# KiCad board untitled.kicad_pcb (continued)
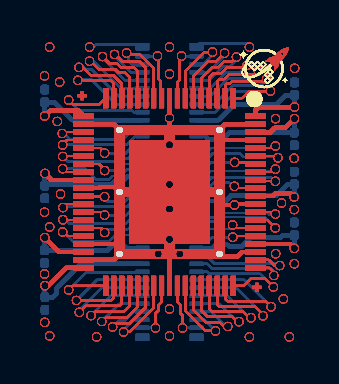
[diagram p0: board, top side]
## Routing (per net, layer and track width the routed paths; a pad name or vN(x,y) marks a point on that pad's centre or on a via; arc(x,y) is an arc through that point) (continued)
/PIN 68: length 210.5
  Top w0.1: 8.61,12.13 8.21,12.13 ; 8.61,12.13 8.21,12.13 ; 8.61,12.13 9,12.52 ; 8.61,12.13 9,12.52 ; 8.61,12.13 8.21,12.13 ; 8.61,12.13 9,12.52 ; 8.61,12.13 8.21,12.13 ; 8.61,12.13 8.21,12.13 ; 8.61,12.13 9,12.52 ; 8.61,12.13 9,12.52 ; 8.61,12.13 8.21,12.13 ; 8.61,12.13 9,12.52 ; 8.61,12.13 8.21,12.13 ; 8.61,12.13 8.21,12.13 ; 8.61,12.13 9,12.52 ; 8.61,12.13 8.21,12.13 ; 8.61,12.13 8.21,12.13 ; 8.61,12.13 9,12.52 ; 8.61,12.13 9,12.52 ; 8.61,12.13 8.21,12.13 ; 8.61,12.13 9,12.52 ; 8.61,12.13 9,12.52 ; 8.61,12.13 9,12.52 ; 8.61,12.13 9,12.52 ; 8.61,12.13 8.21,12.13 ; 8.61,12.13 9,12.52 ; 8.61,12.13 9,12.52 ; 8.61,12.13 9,12.52 ; 8.61,12.13 8.21,12.13 ; 8.61,12.13 9,12.52 ; 8.61,12.13 8.21,12.13 ; 8.61,12.13 8.21,12.13 ; 8.61,12.13 9,12.52 ; 8.61,12.13 8.21,12.13 ; 8.61,12.13 9,12.52 ; 8.61,12.13 8.21,12.13 ; 8.61,12.13 9,12.52 ; 8.61,12.13 8.21,12.13 ; 8.61,12.13 8.21,12.13 ; 8.61,12.13 8.21,12.13 ; 8.61,12.13 9,12.52 ; 8.61,12.13 8.21,12.13 ; 8.61,12.13 9,12.52 ; 8.61,12.13 8.21,12.13 ; 8.61,12.13 9,12.52 ; 8.61,12.13 8.21,12.13 ; 8.61,12.13 9,12.52 ; 8.61,12.13 8.21,12.13 ; 8.61,12.13 9,12.52 ; 8.61,12.13 9,12.52 ; 8.61,12.13 9,12.52 ; 8.61,12.13 9,12.52 ; 8.61,12.13 8.21,12.13 ; 8.61,12.13 9,12.52 ; 8.61,12.13 9,12.52 ; 8.61,12.13 8.21,12.13 ; 8.61,12.13 8.21,12.13 ; 8.61,12.13 9,12.52 ; 8.61,12.13 8.21,12.13 ; 8.61,12.13 8.21,12.13 ; 8.61,12.13 8.21,12.13 ; 8.61,12.13 9,12.52 ; 8.61,12.13 9,12.52 ; 8.61,12.13 8.21,12.13 ; 8.61,12.13 9,12.52 ; 8.61,12.13 9,12.52 ; 8.61,12.13 8.21,12.13 ; 8.61,12.13 9,12.52 ; 8.61,12.13 8.21,12.13 ; 8.61,12.13 8.21,12.13 ; 8.61,12.13 9,12.52 ; 8.61,12.13 9,12.52 ; 8.61,12.13 8.21,12.13 ; 8.61,12.13 8.21,12.13 ; 8.61,12.13 8.21,12.13 ; 8.61,12.13 8.21,12.13 ; 8.61,12.13 8.21,12.13 ; 8.61,12.13 9,12.52 ; 8.61,12.13 8.21,12.13 ; 8.61,12.13 9,12.52 ; 8.61,12.13 8.21,12.13 ; 8.61,12.13 8.21,12.13 ; 8.61,12.13 9,12.52 ; 8.61,12.13 9,12.52 ; 8.21,12.13 7.46,11.38 ; 8.21,12.13 7.46,11.38 ; 8.21,12.13 7.46,11.38 ; 8.21,12.13 7.46,11.38 ; 8.21,12.13 7.46,11.38 ; 8.21,12.13 7.46,11.38 ; 8.21,12.13 7.46,11.38 ; 8.21,12.13 7.46,11.38 ; 8.21,12.13 7.46,11.38 ; 8.21,12.13 7.46,11.38 ; 8.21,12.13 7.46,11.38 ; 8.21,12.13 7.46,11.38 ; 8.21,12.13 7.46,11.38 ; 8.21,12.13 7.46,11.38 ; 8.21,12.13 7.46,11.38 ; 8.21,12.13 7.46,11.38 ; 8.21,12.13 7.46,11.38 ; 8.21,12.13 7.46,11.38 ; 8.21,12.13 7.46,11.38 ; 8.21,12.13 7.46,11.38 ; 8.21,12.13 7.46,11.38 ; 8.21,12.13 7.46,11.38 ; 8.21,12.13 7.46,11.38 ; 8.21,12.13 7.46,11.38 ; 8.21,12.13 7.46,11.38 ; 8.21,12.13 7.46,11.38 ; 8.21,12.13 7.46,11.38 ; 8.21,12.13 7.46,11.38 ; 8.21,12.13 7.46,11.38 ; 8.21,12.13 7.46,11.38 ; 8.21,12.13 7.46,11.38 ; 8.21,12.13 7.46,11.38 ; 8.21,12.13 7.46,11.38 ; 8.21,12.13 7.46,11.38 ; 8.21,12.13 7.46,11.38 ; 8.21,12.13 7.46,11.38 ; 8.21,12.13 7.46,11.38 ; 8.21,12.13 7.46,11.38 ; 8.21,12.13 7.46,11.38 ; 8.21,12.13 7.46,11.38 ; 8.21,12.13 7.46,11.38 ; 8.21,12.13 7.46,11.38 ; 7.46,11.38 J158.6 ; 7.46,11.38 J158.6 ; 7.46,11.38 J158.6 ; 7.46,11.38 J158.6 ; 7.46,11.38 J158.6 ; 7.46,11.38 J158.6 ; 7.46,11.38 J158.6 ; 7.46,11.38 J158.6 ; 7.46,11.38 J158.6 ; 7.46,11.38 J158.6 ; 7.46,11.38 J158.6 ; 7.46,11.38 J158.6 ; 7.46,11.38 J158.6 ; 7.46,11.38 J158.6 ; 7.46,11.38 J158.6 ; 7.46,11.38 J158.6 ; 7.46,11.38 J158.6 ; 7.46,11.38 J158.6 ; 7.46,11.38 J158.6 ; 7.46,11.38 J158.6 ; 7.46,11.38 J158.6 ; 7.46,11.38 J158.6 ; 7.46,11.38 J158.6 ; 7.46,11.38 J158.6 ; 7.46,11.38 J158.6 ; 7.46,11.38 J158.6 ; 7.46,11.38 J158.6 ; 7.46,11.38 J158.6 ; 7.46,11.38 J158.6 ; 7.46,11.38 J158.6 ; 7.46,11.38 J158.6 ; 7.46,11.38 J158.6 ; 7.46,11.38 J158.6 ; 7.46,11.38 J158.6 ; 7.46,11.38 J158.6 ; 7.46,11.38 J158.6 ; 7.46,11.38 J158.6 ; 7.46,11.38 J158.6 ; 7.46,11.38 J158.6 ; 7.46,11.38 J158.6 ; 7.46,11.38 J158.6 ; 7.46,11.38 J158.6 ; v1(9.02,12.52) 9,12.52 ; v1(9.02,12.52) 9,12.52 ; v1(9.02,12.52) 9,12.52 ; v1(9.02,12.52) 9,12.52 ; v1(9.02,12.52) 9,12.52 ; v1(9.02,12.52) 9,12.52 ; v1(9.02,12.52) 9,12.52 ; v1(9.02,12.52) 9,12.52 ; v1(9.02,12.52) 9,12.52 ; v1(9.02,12.52) 9,12.52 ; v1(9.02,12.52) 9,12.52 ; v1(9.02,12.52) 9,12.52 ; v1(9.02,12.52) 9,12.52 ; v1(9.02,12.52) 9,12.52 ; v1(9.02,12.52) 9,12.52 ; v1(9.02,12.52) 9,12.52 ; v1(9.02,12.52) 9,12.52 ; v1(9.02,12.52) 9,12.52 ; v1(9.02,12.52) 9,12.52 ; v1(9.02,12.52) 9,12.52 ; v1(9.02,12.52) 9,12.52 ; v1(9.02,12.52) 9,12.52 ; v1(9.02,12.52) 9,12.52 ; v1(9.02,12.52) 9,12.52 ; v1(9.02,12.52) 9,12.52 ; v1(9.02,12.52) 9,12.52 ; v1(9.02,12.52) 9,12.52 ; v1(9.02,12.52) 9,12.52 ; v1(9.02,12.52) 9,12.52 ; v1(9.02,12.52) 9,12.52 ; v1(9.02,12.52) 9,12.52 ; v1(9.02,12.52) 9,12.52 ; v1(9.02,12.52) 9,12.52 ; v1(9.02,12.52) 9,12.52 ; v1(9.02,12.52) 9,12.52 ; v1(9.02,12.52) 9,12.52 ; v1(9.02,12.52) 9,12.52 ; v1(9.02,12.52) 9,12.52 ; v1(9.02,12.52) 9,12.52 ; v1(9.02,12.52) 9,12.52 ; v1(9.02,12.52) 9,12.52 ; v1(9.02,12.52) 9,12.52
  Bottom w0.1: 9.02,12.38 8.22,11.58 ; 9.02,12.38 8.22,11.58 ; 9.02,12.38 8.22,11.58 ; 9.02,12.38 8.22,11.58 ; 9.02,12.38 8.22,11.58 ; 9.02,12.38 v1(9.02,12.52) ; 9.02,12.38 8.22,11.58 ; 9.02,12.38 8.22,11.58 ; 9.02,12.38 v1(9.02,12.52) ; 9.02,12.38 v1(9.02,12.52) ; 9.02,12.38 v1(9.02,12.52) ; 9.02,12.38 8.22,11.58 ; 9.02,12.38 8.22,11.58 ; 9.02,12.38 8.22,11.58 ; 9.02,12.38 8.22,11.58 ; 9.02,12.38 v1(9.02,12.52) ; 9.02,12.38 v1(9.02,12.52) ; 9.02,12.38 v1(9.02,12.52) ; 9.02,12.38 v1(9.02,12.52) ; 9.02,12.38 8.22,11.58 ; 9.02,12.38 8.22,11.58 ; 9.02,12.38 v1(9.02,12.52) ; 9.02,12.38 8.22,11.58 ; 9.02,12.38 8.22,11.58 ; 9.02,12.38 v1(9.02,12.52) ; 9.02,12.38 v1(9.02,12.52) ; 9.02,12.38 8.22,11.58 ; 9.02,12.38 v1(9.02,12.52) ; 9.02,12.38 v1(9.02,12.52) ; 9.02,12.38 8.22,11.58 ; 9.02,12.38 v1(9.02,12.52) ; 9.02,12.38 v1(9.02,12.52) ; 9.02,12.38 8.22,11.58 ; 9.02,12.38 v1(9.02,12.52) ; 9.02,12.38 v1(9.02,12.52) ; 9.02,12.38 v1(9.02,12.52) ; 9.02,12.38 v1(9.02,12.52) ; 9.02,12.38 8.22,11.58 ; 9.02,12.38 v1(9.02,12.52) ; 9.02,12.38 8.22,11.58 ; 9.02,12.38 8.22,11.58 ; 9.02,12.38 8.22,11.58 ; 9.02,12.38 v1(9.02,12.52) ; 9.02,12.38 v1(9.02,12.52) ; 9.02,12.38 8.22,11.58 ; 9.02,12.38 8.22,11.58 ; 9.02,12.38 8.22,11.58 ; 9.02,12.38 8.22,11.58 ; 9.02,12.38 8.22,11.58 ; 9.02,12.38 v1(9.02,12.52) ; 9.02,12.38 8.22,11.58 ; 9.02,12.38 v1(9.02,12.52) ; 9.02,12.38 8.22,11.58 ; 9.02,12.38 v1(9.02,12.52) ; 9.02,12.38 v1(9.02,12.52) ; 9.02,12.38 v1(9.02,12.52) ; 9.02,12.38 v1(9.02,12.52) ; 9.02,12.38 8.22,11.58 ; 9.02,12.38 v1(9.02,12.52) ; 9.02,12.38 8.22,11.58 ; 9.02,12.38 8.22,11.58 ; 9.02,12.38 v1(9.02,12.52) ; 9.02,12.38 8.22,11.58 ; 9.02,12.38 8.22,11.58 ; 9.02,12.38 v1(9.02,12.52) ; 9.02,12.38 v1(9.02,12.52) ; 9.02,12.38 8.22,11.58 ; 9.02,12.38 v1(9.02,12.52) ; 9.02,12.38 v1(9.02,12.52) ; 9.02,12.38 8.22,11.58 ; 9.02,12.38 v1(9.02,12.52) ; 9.02,12.38 8.22,11.58 ; 9.02,12.38 v1(9.02,12.52) ; 9.02,12.38 8.22,11.58 ; 9.02,12.38 8.22,11.58 ; 9.02,12.38 8.22,11.58 ; 9.02,12.38 v1(9.02,12.52) ; 9.02,12.38 8.22,11.58 ; 9.02,12.38 v1(9.02,12.52) ; 9.02,12.38 8.22,11.58 ; 9.02,12.38 v1(9.02,12.52) ; 9.02,12.38 v1(9.02,12.52) ; 9.02,12.38 v1(9.02,12.52) ; 9.02,12.38 v1(9.02,12.52) ; 8.22,11.58 J173.3 ; 8.22,11.58 J173.3 ; 8.22,11.58 J173.3 ; 8.22,11.58 J173.3 ; 8.22,11.58 J173.3 ; 8.22,11.58 J173.3 ; 8.22,11.58 J173.3 ; 8.22,11.58 J173.3 ; 8.22,11.58 J173.3 ; 8.22,11.58 J173.3 ; 8.22,11.58 J173.3 ; 8.22,11.58 J173.3 ; 8.22,11.58 J173.3 ; 8.22,11.58 J173.3 ; 8.22,11.58 J173.3 ; 8.22,11.58 J173.3 ; 8.22,11.58 J173.3 ; 8.22,11.58 J173.3 ; 8.22,11.58 J173.3 ; 8.22,11.58 J173.3 ; 8.22,11.58 J173.3 ; 8.22,11.58 J173.3 ; 8.22,11.58 J173.3 ; 8.22,11.58 J173.3 ; 8.22,11.58 J173.3 ; 8.22,11.58 J173.3 ; 8.22,11.58 J173.3 ; 8.22,11.58 J173.3 ; 8.22,11.58 J173.3 ; 8.22,11.58 J173.3 ; 8.22,11.58 J173.3 ; 8.22,11.58 J173.3 ; 8.22,11.58 J173.3 ; 8.22,11.58 J173.3 ; 8.22,11.58 J173.3 ; 8.22,11.58 J173.3 ; 8.22,11.58 J173.3 ; 8.22,11.58 J173.3 ; 8.22,11.58 J173.3 ; 8.22,11.58 J173.3 ; 8.22,11.58 J173.3 ; 8.22,11.58 J173.3
/PIN 69: length 177.4
  Top w0.1: 8.01,12.58 7.06,11.63 ; 8.01,12.58 v1(8.41,12.58) ; 8.01,12.58 v1(8.41,12.58) ; 8.01,12.58 v1(8.41,12.58) ; 8.01,12.58 7.06,11.63 ; 8.01,12.58 v1(8.41,12.58) ; 8.01,12.58 v1(8.41,12.58) ; 8.01,12.58 v1(8.41,12.58) ; 8.01,12.58 7.06,11.63 ; 8.01,12.58 v1(8.41,12.58) ; 8.01,12.58 7.06,11.63 ; 8.01,12.58 v1(8.41,12.58) ; 8.01,12.58 v1(8.41,12.58) ; 8.01,12.58 7.06,11.63 ; 8.01,12.58 v1(8.41,12.58) ; 8.01,12.58 v1(8.41,12.58) ; 8.01,12.58 7.06,11.63 ; 8.01,12.58 v1(8.41,12.58) ; 8.01,12.58 7.06,11.63 ; 8.01,12.58 v1(8.41,12.58) ; 8.01,12.58 7.06,11.63 ; 8.01,12.58 7.06,11.63 ; 8.01,12.58 7.06,11.63 ; 8.01,12.58 v1(8.41,12.58) ; 8.01,12.58 7.06,11.63 ; 8.01,12.58 v1(8.41,12.58) ; 8.01,12.58 v1(8.41,12.58) ; 8.01,12.58 7.06,11.63 ; 8.01,12.58 v1(8.41,12.58) ; 8.01,12.58 7.06,11.63 ; 8.01,12.58 v1(8.41,12.58) ; 8.01,12.58 v1(8.41,12.58) ; 8.01,12.58 v1(8.41,12.58) ; 8.01,12.58 7.06,11.63 ; 8.01,12.58 v1(8.41,12.58) ; 8.01,12.58 v1(8.41,12.58) ; 8.01,12.58 v1(8.41,12.58) ; 8.01,12.58 7.06,11.63 ; 8.01,12.58 7.06,11.63 ; 8.01,12.58 v1(8.41,12.58) ; 8.01,12.58 7.06,11.63 ; 8.01,12.58 v1(8.41,12.58) ; 8.01,12.58 v1(8.41,12.58) ; 8.01,12.58 7.06,11.63 ; 8.01,12.58 7.06,11.63 ; 8.01,12.58 7.06,11.63 ; 8.01,12.58 v1(8.41,12.58) ; 8.01,12.58 v1(8.41,12.58) ; 8.01,12.58 7.06,11.63 ; 8.01,12.58 7.06,11.63 ; 8.01,12.58 v1(8.41,12.58) ; 8.01,12.58 7.06,11.63 ; 8.01,12.58 v1(8.41,12.58) ; 8.01,12.58 7.06,11.63 ; 8.01,12.58 7.06,11.63 ; 8.01,12.58 7.06,11.63 ; 8.01,12.58 7.06,11.63 ; 8.01,12.58 v1(8.41,12.58) ; 8.01,12.58 v1(8.41,12.58) ; 8.01,12.58 v1(8.41,12.58) ; 8.01,12.58 7.06,11.63 ; 8.01,12.58 v1(8.41,12.58) ; 8.01,12.58 7.06,11.63 ; 8.01,12.58 7.06,11.63 ; 8.01,12.58 7.06,11.63 ; 8.01,12.58 7.06,11.63 ; 8.01,12.58 7.06,11.63 ; 8.01,12.58 v1(8.41,12.58) ; 8.01,12.58 7.06,11.63 ; 8.01,12.58 7.06,11.63 ; 8.01,12.58 7.06,11.63 ; 8.01,12.58 7.06,11.63 ; 8.01,12.58 7.06,11.63 ; 8.01,12.58 v1(8.41,12.58) ; 8.01,12.58 v1(8.41,12.58) ; 8.01,12.58 7.06,11.63 ; 8.01,12.58 v1(8.41,12.58) ; 8.01,12.58 v1(8.41,12.58) ; 8.01,12.58 v1(8.41,12.58) ; 8.01,12.58 7.06,11.63 ; 8.01,12.58 7.06,11.63 ; 8.01,12.58 v1(8.41,12.58) ; 8.01,12.58 v1(8.41,12.58) ; 8.01,12.58 7.06,11.63 ; 7.06,11.63 J158.7 ; 7.06,11.63 J158.7 ; 7.06,11.63 J158.7 ; 7.06,11.63 J158.7 ; 7.06,11.63 J158.7 ; 7.06,11.63 J158.7 ; 7.06,11.63 J158.7 ; 7.06,11.63 J158.7 ; 7.06,11.63 J158.7 ; 7.06,11.63 J158.7 ; 7.06,11.63 J158.7 ; 7.06,11.63 J158.7 ; 7.06,11.63 J158.7 ; 7.06,11.63 J158.7 ; 7.06,11.63 J158.7 ; 7.06,11.63 J158.7 ; 7.06,11.63 J158.7 ; 7.06,11.63 J158.7 ; 7.06,11.63 J158.7 ; 7.06,11.63 J158.7 ; 7.06,11.63 J158.7 ; 7.06,11.63 J158.7 ; 7.06,11.63 J158.7 ; 7.06,11.63 J158.7 ; 7.06,11.63 J158.7 ; 7.06,11.63 J158.7 ; 7.06,11.63 J158.7 ; 7.06,11.63 J158.7 ; 7.06,11.63 J158.7 ; 7.06,11.63 J158.7 ; 7.06,11.63 J158.7 ; 7.06,11.63 J158.7 ; 7.06,11.63 J158.7 ; 7.06,11.63 J158.7 ; 7.06,11.63 J158.7 ; 7.06,11.63 J158.7 ; 7.06,11.63 J158.7 ; 7.06,11.63 J158.7 ; 7.06,11.63 J158.7 ; 7.06,11.63 J158.7 ; 7.06,11.63 J158.7 ; 7.06,11.63 J158.7
  Bottom w0.1: v1(8.41,12.58) 8.41,12.43 ; v1(8.41,12.58) 8.41,12.43 ; v1(8.41,12.58) 8.41,12.43 ; v1(8.41,12.58) 8.41,12.43 ; v1(8.41,12.58) 8.41,12.43 ; v1(8.41,12.58) 8.41,12.43 ; v1(8.41,12.58) 8.41,12.43 ; v1(8.41,12.58) 8.41,12.43 ; v1(8.41,12.58) 8.41,12.43 ; v1(8.41,12.58) 8.41,12.43 ; v1(8.41,12.58) 8.41,12.43 ; v1(8.41,12.58) 8.41,12.43 ; v1(8.41,12.58) 8.41,12.43 ; v1(8.41,12.58) 8.41,12.43 ; v1(8.41,12.58) 8.41,12.43 ; v1(8.41,12.58) 8.41,12.43 ; v1(8.41,12.58) 8.41,12.43 ; v1(8.41,12.58) 8.41,12.43 ; v1(8.41,12.58) 8.41,12.43 ; v1(8.41,12.58) 8.41,12.43 ; v1(8.41,12.58) 8.41,12.43 ; v1(8.41,12.58) 8.41,12.43 ; v1(8.41,12.58) 8.41,12.43 ; v1(8.41,12.58) 8.41,12.43 ; v1(8.41,12.58) 8.41,12.43 ; v1(8.41,12.58) 8.41,12.43 ; v1(8.41,12.58) 8.41,12.43 ; v1(8.41,12.58) 8.41,12.43 ; v1(8.41,12.58) 8.41,12.43 ; v1(8.41,12.58) 8.41,12.43 ; v1(8.41,12.58) 8.41,12.43 ; v1(8.41,12.58) 8.41,12.43 ; v1(8.41,12.58) 8.41,12.43 ; v1(8.41,12.58) 8.41,12.43 ; v1(8.41,12.58) 8.41,12.43 ; v1(8.41,12.58) 8.41,12.43 ; v1(8.41,12.58) 8.41,12.43 ; v1(8.41,12.58) 8.41,12.43 ; v1(8.41,12.58) 8.41,12.43 ; v1(8.41,12.58) 8.41,12.43 ; v1(8.41,12.58) 8.41,12.43 ; v1(8.41,12.58) 8.41,12.43 ; 8.41,12.43 7.96,11.98 ; 8.41,12.43 7.96,11.98 ; 8.41,12.43 7.96,11.98 ; 8.41,12.43 7.96,11.98 ; 8.41,12.43 7.96,11.98 ; 8.41,12.43 7.96,11.98 ; 8.41,12.43 7.96,11.98 ; 8.41,12.43 7.96,11.98 ; 8.41,12.43 7.96,11.98 ; 8.41,12.43 7.96,11.98 ; 8.41,12.43 7.96,11.98 ; 8.41,12.43 7.96,11.98 ; 8.41,12.43 7.96,11.98 ; 8.41,12.43 7.96,11.98 ; 8.41,12.43 7.96,11.98 ; 8.41,12.43 7.96,11.98 ; 8.41,12.43 7.96,11.98 ; 8.41,12.43 7.96,11.98 ; 8.41,12.43 7.96,11.98 ; 8.41,12.43 7.96,11.98 ; 8.41,12.43 7.96,11.98 ; 8.41,12.43 7.96,11.98 ; 8.41,12.43 7.96,11.98 ; 8.41,12.43 7.96,11.98 ; 8.41,12.43 7.96,11.98 ; 8.41,12.43 7.96,11.98 ; 8.41,12.43 7.96,11.98 ; 8.41,12.43 7.96,11.98 ; 8.41,12.43 7.96,11.98 ; 8.41,12.43 7.96,11.98 ; 8.41,12.43 7.96,11.98 ; 8.41,12.43 7.96,11.98 ; 8.41,12.43 7.96,11.98 ; 8.41,12.43 7.96,11.98 ; 8.41,12.43 7.96,11.98 ; 8.41,12.43 7.96,11.98 ; 8.41,12.43 7.96,11.98 ; 8.41,12.43 7.96,11.98 ; 8.41,12.43 7.96,11.98 ; 8.41,12.43 7.96,11.98 ; 8.41,12.43 7.96,11.98 ; 8.41,12.43 7.96,11.98 ; 7.96,11.98 J173.2 ; 7.96,11.98 J173.2 ; 7.96,11.98 J173.2 ; 7.96,11.98 J173.2 ; 7.96,11.98 J173.2 ; 7.96,11.98 J173.2 ; 7.96,11.98 J173.2 ; 7.96,11.98 J173.2 ; 7.96,11.98 J173.2 ; 7.96,11.98 J173.2 ; 7.96,11.98 J173.2 ; 7.96,11.98 J173.2 ; 7.96,11.98 J173.2 ; 7.96,11.98 J173.2 ; 7.96,11.98 J173.2 ; 7.96,11.98 J173.2 ; 7.96,11.98 J173.2 ; 7.96,11.98 J173.2 ; 7.96,11.98 J173.2 ; 7.96,11.98 J173.2 ; 7.96,11.98 J173.2 ; 7.96,11.98 J173.2 ; 7.96,11.98 J173.2 ; 7.96,11.98 J173.2 ; 7.96,11.98 J173.2 ; 7.96,11.98 J173.2 ; 7.96,11.98 J173.2 ; 7.96,11.98 J173.2 ; 7.96,11.98 J173.2 ; 7.96,11.98 J173.2 ; 7.96,11.98 J173.2 ; 7.96,11.98 J173.2 ; 7.96,11.98 J173.2 ; 7.96,11.98 J173.2 ; 7.96,11.98 J173.2 ; 7.96,11.98 J173.2 ; 7.96,11.98 J173.2 ; 7.96,11.98 J173.2 ; 7.96,11.98 J173.2 ; 7.96,11.98 J173.2 ; 7.96,11.98 J173.2 ; 7.96,11.98 J173.2
/PIN 70: length 123.4
  Top w0.1: 6.66,11.08 J158.8 ; 6.66,11.08 6.76,11.18 ; 6.66,11.08 J158.8 ; 6.66,11.08 6.76,11.18 ; 6.66,11.08 6.76,11.18 ; 6.66,11.08 J158.8 ; 6.66,11.08 6.76,11.18 ; 6.66,11.08 6.76,11.18 ; 6.66,11.08 J158.8 ; 6.66,11.08 J158.8 ; 6.66,11.08 6.76,11.18 ; 6.66,11.08 6.76,11.18 ; 6.66,11.08 6.76,11.18 ; 6.66,11.08 J158.8 ; 6.66,11.08 6.76,11.18 ; 6.66,11.08 J158.8 ; 6.66,11.08 6.76,11.18 ; 6.66,11.08 J158.8 ; 6.66,11.08 J158.8 ; 6.66,11.08 6.76,11.18 ; 6.66,11.08 6.76,11.18 ; 6.66,11.08 J158.8 ; 6.66,11.08 J158.8 ; 6.66,11.08 J158.8 ; 6.66,11.08 J158.8 ; 6.66,11.08 6.76,11.18 ; 6.66,11.08 6.76,11.18 ; 6.66,11.08 J158.8 ; 6.66,11.08 6.76,11.18 ; 6.66,11.08 J158.8 ; 6.66,11.08 6.76,11.18 ; 6.66,11.08 6.76,11.18 ; 6.66,11.08 6.76,11.18 ; 6.66,11.08 6.76,11.18 ; 6.66,11.08 J158.8 ; 6.66,11.08 J158.8 ; 6.66,11.08 6.76,11.18 ; 6.66,11.08 J158.8 ; 6.66,11.08 J158.8 ; 6.66,11.08 6.76,11.18 ; 6.66,11.08 J158.8 ; 6.66,11.08 J158.8 ; 6.66,11.08 6.76,11.18 ; 6.66,11.08 J158.8 ; 6.66,11.08 6.76,11.18 ; 6.66,11.08 J158.8 ; 6.66,11.08 6.76,11.18 ; 6.66,11.08 J158.8 ; 6.66,11.08 6.76,11.18 ; 6.66,11.08 6.76,11.18 ; 6.66,11.08 6.76,11.18 ; 6.66,11.08 6.76,11.18 ; 6.66,11.08 J158.8 ; 6.66,11.08 J158.8 ; 6.66,11.08 6.76,11.18 ; 6.66,11.08 J158.8 ; 6.66,11.08 J158.8 ; 6.66,11.08 J158.8 ; 6.66,11.08 J158.8 ; 6.66,11.08 J158.8 ; 6.66,11.08 J158.8 ; 6.66,11.08 J158.8 ; 6.66,11.08 J158.8 ; 6.66,11.08 J158.8 ; 6.66,11.08 6.76,11.18 ; 6.66,11.08 6.76,11.18 ; 6.66,11.08 6.76,11.18 ; 6.66,11.08 6.76,11.18 ; 6.66,11.08 6.76,11.18 ; 6.66,11.08 6.76,11.18 ; 6.66,11.08 J158.8 ; 6.66,11.08 6.76,11.18 ; 6.66,11.08 J158.8 ; 6.66,11.08 6.76,11.18 ; 6.66,11.08 J158.8 ; 6.66,11.08 6.76,11.18 ; 6.66,11.08 6.76,11.18 ; 6.66,11.08 6.76,11.18 ; 6.66,11.08 J158.8 ; 6.66,11.08 6.76,11.18 ; 6.66,11.08 J158.8 ; 6.66,11.08 J158.8 ; 6.66,11.08 J158.8 ; 6.66,11.08 6.76,11.18 ; 6.76,11.18 6.76,12.28 ; 6.76,11.18 6.76,12.28 ; 6.76,11.18 6.76,12.28 ; 6.76,11.18 6.76,12.28 ; 6.76,11.18 6.76,12.28 ; 6.76,11.18 6.76,12.28 ; 6.76,11.18 6.76,12.28 ; 6.76,11.18 6.76,12.28 ; 6.76,11.18 6.76,12.28 ; 6.76,11.18 6.76,12.28 ; 6.76,11.18 6.76,12.28 ; 6.76,11.18 6.76,12.28 ; 6.76,11.18 6.76,12.28 ; 6.76,11.18 6.76,12.28 ; 6.76,11.18 6.76,12.28 ; 6.76,11.18 6.76,12.28 ; 6.76,11.18 6.76,12.28 ; 6.76,11.18 6.76,12.28 ; 6.76,11.18 6.76,12.28 ; 6.76,11.18 6.76,12.28 ; 6.76,11.18 6.76,12.28 ; 6.76,11.18 6.76,12.28 ; 6.76,11.18 6.76,12.28 ; 6.76,11.18 6.76,12.28 ; 6.76,11.18 6.76,12.28 ; 6.76,11.18 6.76,12.28 ; 6.76,11.18 6.76,12.28 ; 6.76,11.18 6.76,12.28 ; 6.76,11.18 6.76,12.28 ; 6.76,11.18 6.76,12.28 ; 6.76,11.18 6.76,12.28 ; 6.76,11.18 6.76,12.28 ; 6.76,11.18 6.76,12.28 ; 6.76,11.18 6.76,12.28 ; 6.76,11.18 6.76,12.28 ; 6.76,11.18 6.76,12.28 ; 6.76,11.18 6.76,12.28 ; 6.76,11.18 6.76,12.28 ; 6.76,11.18 6.76,12.28 ; 6.76,11.18 6.76,12.28 ; 6.76,11.18 6.76,12.28 ; 6.76,11.18 6.76,12.28 ; 6.76,12.28 v1(6.86,12.38) ; 6.76,12.28 v1(6.86,12.38) ; 6.76,12.28 v1(6.86,12.38) ; 6.76,12.28 v1(6.86,12.38) ; 6.76,12.28 v1(6.86,12.38) ; 6.76,12.28 v1(6.86,12.38) ; 6.76,12.28 v1(6.86,12.38) ; 6.76,12.28 v1(6.86,12.38) ; 6.76,12.28 v1(6.86,12.38) ; 6.76,12.28 v1(6.86,12.38) ; 6.76,12.28 v1(6.86,12.38) ; 6.76,12.28 v1(6.86,12.38) ; 6.76,12.28 v1(6.86,12.38) ; 6.76,12.28 v1(6.86,12.38) ; 6.76,12.28 v1(6.86,12.38) ; 6.76,12.28 v1(6.86,12.38) ; 6.76,12.28 v1(6.86,12.38) ; 6.76,12.28 v1(6.86,12.38) ; 6.76,12.28 v1(6.86,12.38) ; 6.76,12.28 v1(6.86,12.38) ; 6.76,12.28 v1(6.86,12.38) ; 6.76,12.28 v1(6.86,12.38) ; 6.76,12.28 v1(6.86,12.38) ; 6.76,12.28 v1(6.86,12.38) ; 6.76,12.28 v1(6.86,12.38) ; 6.76,12.28 v1(6.86,12.38) ; 6.76,12.28 v1(6.86,12.38) ; 6.76,12.28 v1(6.86,12.38) ; 6.76,12.28 v1(6.86,12.38) ; 6.76,12.28 v1(6.86,12.38) ; 6.76,12.28 v1(6.86,12.38) ; 6.76,12.28 v1(6.86,12.38) ; 6.76,12.28 v1(6.86,12.38) ; 6.76,12.28 v1(6.86,12.38) ; 6.76,12.28 v1(6.86,12.38) ; 6.76,12.28 v1(6.86,12.38) ; 6.76,12.28 v1(6.86,12.38) ; 6.76,12.28 v1(6.86,12.38) ; 6.76,12.28 v1(6.86,12.38) ; 6.76,12.28 v1(6.86,12.38) ; 6.76,12.28 v1(6.86,12.38) ; 6.76,12.28 v1(6.86,12.38)
  Bottom w0.1: v1(6.86,12.38) J173.1 ; v1(6.86,12.38) J173.1 ; v1(6.86,12.38) J173.1 ; v1(6.86,12.38) J173.1 ; v1(6.86,12.38) J173.1 ; v1(6.86,12.38) J173.1 ; v1(6.86,12.38) J173.1 ; v1(6.86,12.38) J173.1 ; v1(6.86,12.38) J173.1 ; v1(6.86,12.38) J173.1 ; v1(6.86,12.38) J173.1 ; v1(6.86,12.38) J173.1 ; v1(6.86,12.38) J173.1 ; v1(6.86,12.38) J173.1 ; v1(6.86,12.38) J173.1 ; v1(6.86,12.38) J173.1 ; v1(6.86,12.38) J173.1 ; v1(6.86,12.38) J173.1 ; v1(6.86,12.38) J173.1 ; v1(6.86,12.38) J173.1 ; v1(6.86,12.38) J173.1 ; v1(6.86,12.38) J173.1 ; v1(6.86,12.38) J173.1 ; v1(6.86,12.38) J173.1 ; v1(6.86,12.38) J173.1 ; v1(6.86,12.38) J173.1 ; v1(6.86,12.38) J173.1 ; v1(6.86,12.38) J173.1 ; v1(6.86,12.38) J173.1 ; v1(6.86,12.38) J173.1 ; v1(6.86,12.38) J173.1 ; v1(6.86,12.38) J173.1 ; v1(6.86,12.38) J173.1 ; v1(6.86,12.38) J173.1 ; v1(6.86,12.38) J173.1 ; v1(6.86,12.38) J173.1 ; v1(6.86,12.38) J173.1 ; v1(6.86,12.38) J173.1 ; v1(6.86,12.38) J173.1 ; v1(6.86,12.38) J173.1 ; v1(6.86,12.38) J173.1 ; v1(6.86,12.38) J173.1

## Copper pours and planes (outline as drawn; the poured copper is in the pictures)
GND on Top, Bottom, In1.Cu, In2.Cu: -0.33,13.13 12.77,13.13 12.82,-1.97 -0.33,-1.97
GND on Top, Bottom, In1.Cu, In2.Cu: -0.33,13.13 12.77,13.13 12.82,-1.97 -0.33,-1.97
GND on Top, Bottom, In1.Cu, In2.Cu: -0.33,13.13 12.77,13.13 12.82,-1.97 -0.33,-1.97
GND on Top, Bottom, In1.Cu, In2.Cu: -0.33,13.13 12.77,13.13 12.82,-1.97 -0.33,-1.97
GND on Top, Bottom, In1.Cu, In2.Cu: -0.33,13.13 12.77,13.13 12.82,-1.97 -0.33,-1.97
GND on Top, Bottom, In1.Cu, In2.Cu: -0.33,13.13 12.77,13.13 12.82,-1.97 -0.33,-1.97
GND on Top, Bottom, In1.Cu, In2.Cu: -0.33,13.13 12.77,13.13 12.82,-1.97 -0.33,-1.97
GND on Top, Bottom, In1.Cu, In2.Cu: -0.33,13.13 12.77,13.13 12.82,-1.97 -0.33,-1.97
GND on Top, Bottom, In1.Cu, In2.Cu: -0.33,13.13 12.77,13.13 12.82,-1.97 -0.33,-1.97
GND on Top, Bottom, In1.Cu, In2.Cu: -0.33,13.13 12.77,13.13 12.82,-1.97 -0.33,-1.97
GND on Top, Bottom, In1.Cu, In2.Cu: -0.33,13.13 12.77,13.13 12.82,-1.97 -0.33,-1.97
GND on Top, Bottom, In1.Cu, In2.Cu: -0.33,13.13 12.77,13.13 12.82,-1.97 -0.33,-1.97
GND on Top, Bottom, In1.Cu, In2.Cu: -0.33,13.13 12.77,13.13 12.82,-1.97 -0.33,-1.97
GND on Top, Bottom, In1.Cu, In2.Cu: -0.33,13.13 12.77,13.13 12.82,-1.97 -0.33,-1.97
GND on Top, Bottom, In1.Cu, In2.Cu: -0.33,13.13 12.77,13.13 12.82,-1.97 -0.33,-1.97
GND on Top, Bottom, In1.Cu, In2.Cu: -0.33,13.13 12.77,13.13 12.82,-1.97 -0.33,-1.97
GND on Top, Bottom, In1.Cu, In2.Cu: -0.33,13.13 12.77,13.13 12.82,-1.97 -0.33,-1.97
GND on Top, Bottom, In1.Cu, In2.Cu: -0.33,13.13 12.77,13.13 12.82,-1.97 -0.33,-1.97
GND on Top, Bottom, In1.Cu, In2.Cu: -0.33,13.13 12.77,13.13 12.82,-1.97 -0.33,-1.97
GND on Top, Bottom, In1.Cu, In2.Cu: -0.33,13.13 12.77,13.13 12.82,-1.97 -0.33,-1.97
GND on Top, Bottom, In1.Cu, In2.Cu: -0.33,13.13 12.77,13.13 12.82,-1.97 -0.33,-1.97
GND on Top, Bottom, In1.Cu, In2.Cu: -0.33,13.13 12.77,13.13 12.82,-1.97 -0.33,-1.97
GND on Top, Bottom, In1.Cu, In2.Cu: -0.33,13.13 12.77,13.13 12.82,-1.97 -0.33,-1.97
GND on Top, Bottom, In1.Cu, In2.Cu: -0.33,13.13 12.77,13.13 12.82,-1.97 -0.33,-1.97
GND on Top, Bottom, In1.Cu, In2.Cu: -0.33,13.13 12.77,13.13 12.82,-1.97 -0.33,-1.97
GND on Top, Bottom, In1.Cu, In2.Cu: -0.33,13.13 12.77,13.13 12.82,-1.97 -0.33,-1.97
GND on Top, Bottom, In1.Cu, In2.Cu: -0.33,13.13 12.77,13.13 12.82,-1.97 -0.33,-1.97
GND on Top, Bottom, In1.Cu, In2.Cu: -0.33,13.13 12.77,13.13 12.82,-1.97 -0.33,-1.97
GND on Top, Bottom, In1.Cu, In2.Cu: -0.33,13.13 12.77,13.13 12.82,-1.97 -0.33,-1.97
GND on Top, Bottom, In1.Cu, In2.Cu: -0.33,13.13 12.77,13.13 12.82,-1.97 -0.33,-1.97
GND on Top, Bottom, In1.Cu, In2.Cu: -0.33,13.13 12.77,13.13 12.82,-1.97 -0.33,-1.97
GND on Top, Bottom, In1.Cu, In2.Cu: -0.33,13.13 12.77,13.13 12.82,-1.97 -0.33,-1.97
GND on Top, Bottom, In1.Cu, In2.Cu: -0.33,13.13 12.77,13.13 12.82,-1.97 -0.33,-1.97
GND on Top, Bottom, In1.Cu, In2.Cu: -0.33,13.13 12.77,13.13 12.82,-1.97 -0.33,-1.97
GND on Top, Bottom, In1.Cu, In2.Cu: -0.33,13.13 12.77,13.13 12.82,-1.97 -0.33,-1.97
GND on Top, Bottom, In1.Cu, In2.Cu: -0.33,13.13 12.77,13.13 12.82,-1.97 -0.33,-1.97
GND on Top, Bottom, In1.Cu, In2.Cu: -0.33,13.13 12.77,13.13 12.82,-1.97 -0.33,-1.97
GND on Top, Bottom, In1.Cu, In2.Cu: -0.33,13.13 12.77,13.13 12.82,-1.97 -0.33,-1.97
GND on Top, Bottom, In1.Cu, In2.Cu: -0.33,13.13 12.77,13.13 12.82,-1.97 -0.33,-1.97
GND on Top, Bottom, In1.Cu, In2.Cu: -0.33,13.13 12.77,13.13 12.82,-1.97 -0.33,-1.97
GND on Top, Bottom, In1.Cu, In2.Cu: -0.33,13.13 12.77,13.13 12.82,-1.97 -0.33,-1.97
GND on Top, Bottom, In1.Cu, In2.Cu: -0.33,13.13 12.77,13.13 12.82,-1.97 -0.33,-1.97

## Text on the board
B.Silkscreen: 70 PIN MEZZANINE / 74 PIN PADRING / VERSION: TT01 | wafer.space / GF180MCU Run 1
